# Altium PCB MiniPC.PcbDoc (part 7 of 23)
Units mm, origin at the board's own origin, x right, y up, seen from the top; angles counter-clockwise.
Board outline 175 x 155 mm, 16 copper layers (1_Top, 2_int1_(gnd), 3_int2_(power), 4_int3_(gnd), 5_int4_(sign), 6_int5_(power), 7_int6_(sign), 8_int7_(power), 9_int8_(gnd), 10_int9_(sign), 11_int10_(gnd), 12_int11_(sign), 13_int12_(gnd), 14_int13_(power), 15_int14_(gnd), 16_Bottom), stack 2.008 mm thick; 1046 components, 841 nets, 6010 pads, 4016 vias.
Unrouted connection lines stored in the file: 602.
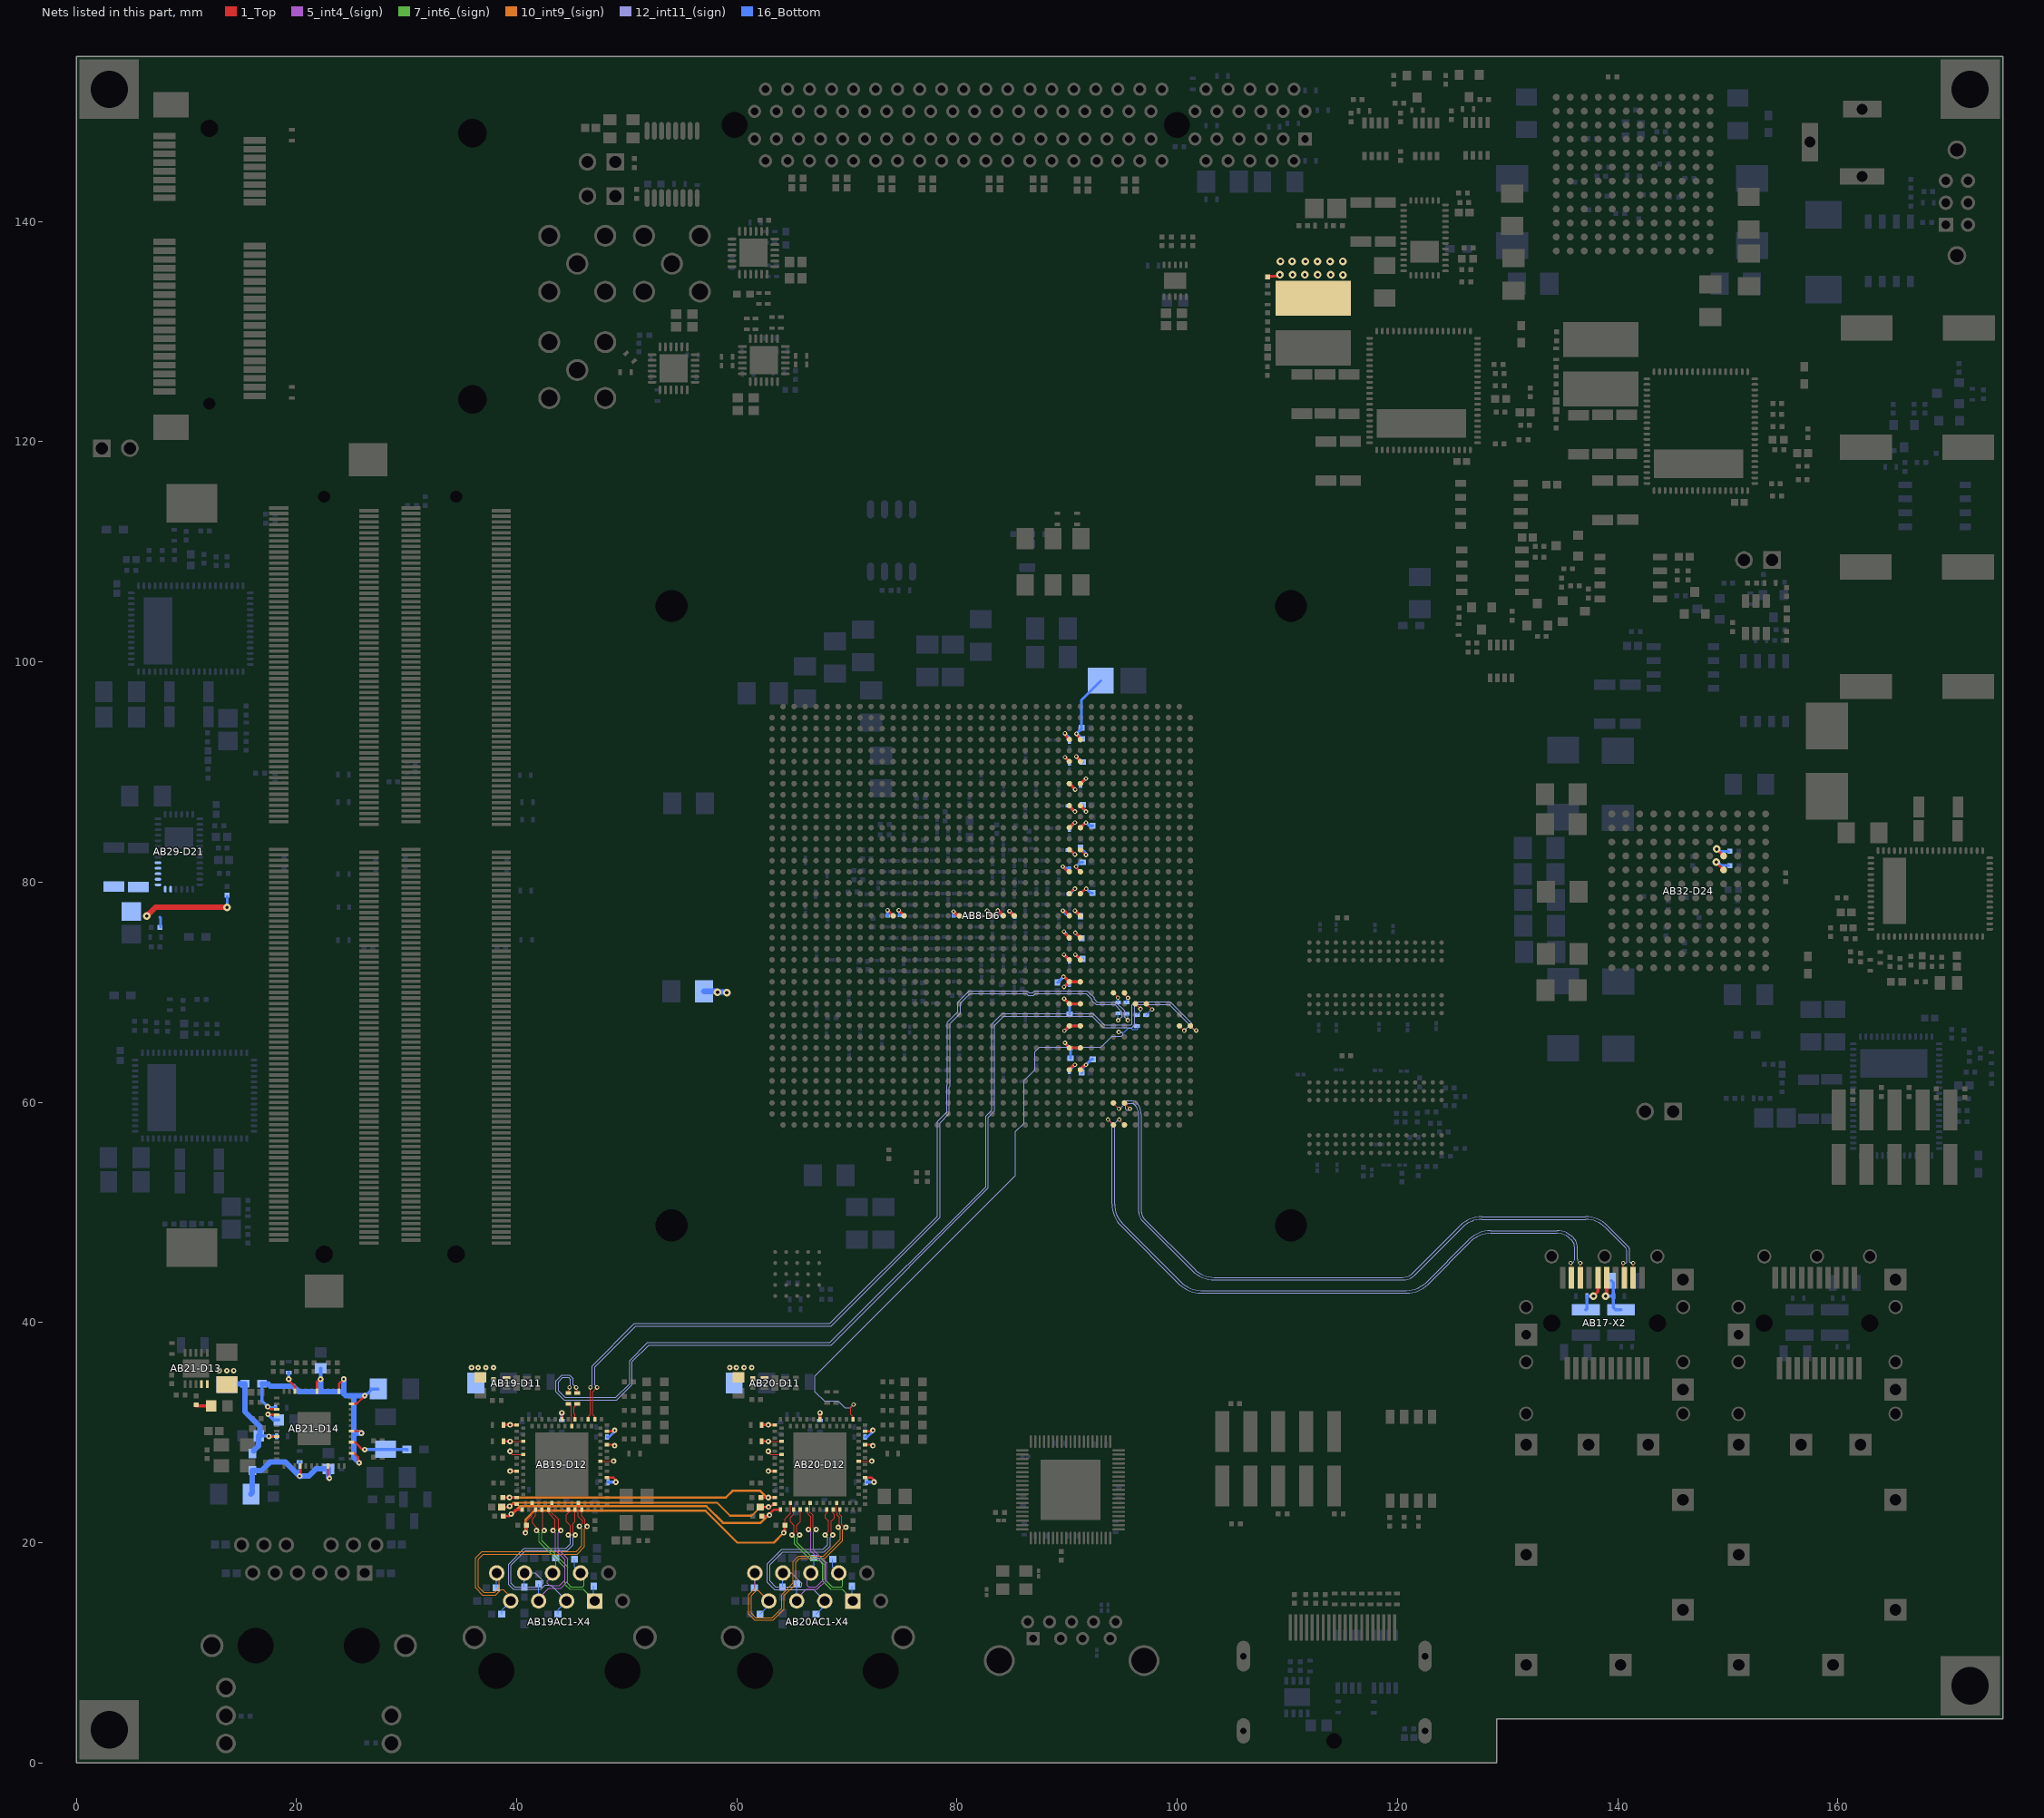
[diagram p21: the nets of this part, all layers, seen from the top]

## Part data (continued)
AB23-R139 AB23-R142 AB23-R143: library part E87, "Chip Resistor, 22.6 KOhm, +/- 1%, 63 mW, -55 to 155 degC, 0402 (1005 Metric), RoHS, Tape and Reel", Case/Package=0402, Case Code (Metric)=1005, Max Operating Temperature="155 degC", Min Operating Temperature="-55 degC", Package Quantity=10000, Power Rating="63 mW", Resistance="22.6 KOhm", Tolerance=1%, Voltage Rating="50 V", Case Code (Imperial)=0402, ComponentLink1Description="Manufacturer URL", ComponentLink1URL=http://www.vishay.com/, ComponentLink2Description=Datasheet, ComponentLink2URL=http://www.vishay.com/docs/20035/dcrcwe3.pdf, Height="0.35 mm", Length="1 mm", Mount="Surface Mount", Mounting Technology="Surface Mount", PackageDescription="2-Pin Surface Mount Device, Body 1 x 0.5 mm", Packaging="Tape and Reel", PartNumber=CRCW040222K6FKED, REACH SVHC=Unknown, RoHSCompliant=True, UID=E87, Width="0.5 mm", Тип элемента=Резистор
  AB23-R139: New_des=R158, Old_des=R167
  AB23-R142: New_des=R159, Old_des=R170
  AB23-R143: New_des=R160, Old_des=R171
AB24-C437 AB24-C438 AB25-C447 AB25-C448 AB26-C456 AB26-C457 AB27-C461 AB27-C462 AB27-C466 AB27-C467 AB27-C468 AB28-C476 AB28-C477 AB29-C482 AB29-C483 AB30-C486 AB30-C487 AB30-C490 AB30-C491 AB30-C492 AB31-C498 AB31-C499 AB35-C533 AB35-C534: library part E6, "Chip Capacitor, 47 uF, +/- 20%, 10 V, -55 to 85 degC, 1206 (3216 Metric), RoHS, Tape and Reel", Capacitance="47 uF", Case\/Package=1206, Case Code (Metric)=3216, Max Operating Temperature="85 degC", Min Operating Temperature="-55 degC", Package Quantity=2000, Tolerance=20%, Type (Capacitors)=X5R, Voltage Rating="10 V", Case Code (Imperial)=1206, ComponentLink1Description="Manufacturer URL", ComponentLink1URL=http://www.tdk.com/, ComponentLink2Description=Datasheet, ComponentLink2URL=https://product.tdk.com/info/en/catalog/datasheets/mlcc_commercial_general_en.pdf, DatasheetVersion=03/2015, Height="1.6 mm", Length="3.2 mm", Mount="Surface Mount", Mounting Technology="Surface Mount", PackageDescription="2-Pin Surface Mount Device, Body 3.2 x 1.6 mm", PackageReference=3216, Packaging="Tape and Reel", Radiation Hardening=No, RoHSCompliant=true, UID=E6, Voltage Rating (DC)="10 V", Width="1.6 mm", Тип элемента=Конденсатор
  AB24-C437: New_des=C446, Old_des=C71
  AB24-C438: New_des=C447, Old_des=C72
  AB25-C447: New_des=C367, Old_des=C39
  AB25-C448: New_des=C368, Old_des=C40
  AB26-C456: New_des=C456, Old_des=C30
  AB26-C457: New_des=C457, Old_des=C31
  AB27-C461: New_des=C461, Old_des=C18
  AB27-C462: New_des=C462, Old_des=C19
  AB27-C466: New_des=C466, Old_des=C20
  AB27-C467: New_des=C467, Old_des=C21
  AB27-C468: New_des=C468, Old_des=C22
  AB28-C476: New_des=C476, Old_des=C11
  AB28-C477: New_des=C477, Old_des=C12
  AB29-C482: New_des=C482, Old_des=C46
  AB29-C483: New_des=C483, Old_des=C47
  AB30-C486: New_des=C486, Old_des=C52
  AB30-C487: New_des=C487, Old_des=C53
  AB30-C490: New_des=C490, Old_des=C54
  AB30-C491: New_des=C491, Old_des=C55
  AB30-C492: New_des=C492, Old_des=C56
  AB31-C498: New_des=C498, Old_des=C62
  AB31-C499: New_des=C499, Old_des=C63
  AB35-C533: New_des=C533, Old_des=C112
  AB35-C534: New_des=C534, Old_des=C113
AB24-D16: library part E109, "Window Comparator with Internal Reference for Overvoltage and Undervoltage Detection, 1.8 to 18 V, -40 to 125 degC, 6-Pin SOT (DDC), Green (RoHS & no Sb/Br), Tape and Reel", Case/Package=SOT-6, Max Operating Temperature="125 degC", Max Supply Voltage="18 V", Min Operating Temperature="-40 degC", Min Supply Voltage="1.8 V", Package Quantity=3000, Code_JEDEC=MO-193, ComponentLink1Description="Manufacturer URL", ComponentLink1URL=http://www.ti.com/, ComponentLink2Description=Datasheet, ComponentLink2URL=http://www.ti.com/lit/ds/symlink/tps3700.pdf, ComponentLink3Description="Package Specification", ComponentLink3URL=http://www.ti.com/litv/pdf/mpds124d, DatasheetVersion=SBVS187D, Mount="Surface Mount", Mounting Technology="Surface Mount", New_des=D17, Old_des=U9, PackageDescription="6-Pin Small Outline Transistor, Body 2.9 x 1.6 mm, Pitch 0.95 mm", PackageVersion="4204403-3/E, 06/2005", Packaging="Tape and Reel", PartNumber=TPS3700DDCR, Pins=6, RoHSCompliant=True, UID=E109, Тип элемента="Набор компараторов"
AB24-R159 AB34-R280 AB34-R281 AB34-R284 AB34-R286 AB35-R292 AB36-R309: library part E57, "Chip Resistor, 49.9 KOhm, +/- 1%, 100 mW, -55 to 155 degC, 0402 (1005 Metric), RoHS, Tape and Reel", Case\/Package=0402, Case Code (Metric)=1005, Manufacturer="Basic Passives", Max Operating Temperature="155 degC", Min Operating Temperature="-55 degC", Package Quantity=10000, Power Rating="100 mW", Resistance="49.9 KOhm", Tolerance=1%, Voltage Rating="50 V", Case Code (Imperial)=0402, ComponentLink1Description="Manufacturer URL", ComponentLink1URL=http://www.panasonic.com/, ComponentLink2Description=Datasheet, ComponentLink2URL=http://industrial.panasonic.com/cdbs/www-data/pdf/RDA0000/AOA0000C86.pdf, DatasheetVersion=04/2015, Height="0.35 mm", Length="1 mm", Mount="Surface Mount", Mounting Technology="Surface Mount", PackageDescription="2-Pin Surface Mount Device, Body 1 x 0.5 mm", PackageReference=0402, Packaging="Tape and Reel", PartNumber=ERJ-2RKF4992X, Pins=2, Radiation Hardening=No, REACH SVHC="No SVHC", RoHSCompliant=true, UID=E57, Width="0.5 mm", Тип элемента=Резистор
  AB24-R159: New_des=R178, Old_des=R112
  AB34-R280: New_des=R280, Old_des=R133
  AB34-R281: New_des=R281, Old_des=R134
  AB34-R284: New_des=R284, Old_des=R132
  AB34-R286: New_des=R286, Old_des=R129
  AB35-R292: New_des=R292, Old_des=R179
  AB36-R309: New_des=R309, Old_des=R3
AB24-R161 AB33-R269 AB33-R270 AB33-R271 AB33-R273 AB33-R274 AB34-R282 AB34-R287 AB34-R288 AB34-R289 AB36-R306 AB36-R311: library part E56, "Chip Resistor, 10 Ohm, +/- 1%, 100 mW, -55 to 155 degC, 0402 (1005 Metric), RoHS, Tape and Reel", Case\/Package=0402, Case Code (Metric)=1005, Manufacturer="Basic Passives", Max Operating Temperature="155 degC", Min Operating Temperature="-55 degC", Package Quantity=10000, Power Rating="100 mW", Resistance="10 Ohm", Tolerance=1%, Voltage Rating="50 V", Case Code (Imperial)=0402, ComponentLink1Description="Manufacturer URL", ComponentLink1URL=http://www.panasonic.com/, ComponentLink2Description=Datasheet, ComponentLink2URL=http://industrial.panasonic.com/cdbs/www-data/pdf/RDA0000/AOA0000C86.pdf, DatasheetVersion=04/2015, Height="0.35 mm", Length="1 mm", Mount="Surface Mount", Mounting Technology="Surface Mount", PackageDescription="2-Pin Surface Mount Device, Body 1 x 0.5 mm", PackageReference=0402, Packaging="Tape and Reel", PartNumber=ERJ-2RKF10R0X, Pins=2, Radiation Hardening=No, REACH SVHC=Yes, RoHSCompliant=true, UID=E56, Width="0.5 mm", Тип элемента=Резистор
  AB24-R161: New_des=R180, Old_des=R114
  AB33-R269: New_des=R269, Old_des=R12
  AB33-R270: New_des=R270, Old_des=R13
  AB33-R271: New_des=R271, Old_des=R14
  AB33-R273: New_des=R273, Old_des=R15
  AB33-R274: New_des=R275, Old_des=R19
  AB34-R282: New_des=R282, Old_des=R128
  AB34-R287: New_des=R287, Old_des=R130
  AB34-R288: New_des=R288, Old_des=R135
  AB34-R289: New_des=R289, Old_des=R136
  AB36-R306: New_des=R306, Old_des=R1
  AB36-R311: New_des=R310, Old_des=R2
AB24-R162: library part E84, "Chip Resistor, 25.5 KOhm, +/- 1%, 100 mW, -55 to 155 degC, 0402 (1005 Metric), RoHS, Tape and Reel", Case/Package=0402, Case Code (Metric)=1005, Max Operating Temperature="155 degC", Min Operating Temperature="-55 degC", Package Quantity=1, Power Rating="100 mW", Resistance="25.5 KOhm", Tolerance=1%, Voltage Rating="50 V", Case Code (Imperial)=0402, ComponentLink1Description="Manufacturer URL", ComponentLink1URL=http://www.panasonic.com/, ComponentLink2Description=Datasheet, ComponentLink2URL=http://industrial.panasonic.com/cdbs/www-data/pdf/RDA0000/AOA0000C86.pdf, Height="0.35 mm", Length="1 mm", Mount="Surface Mount", Mounting Technology="Surface Mount", New_des=R181, Old_des=R113, PackageDescription="2-Pin Surface Mount Device, Body 1 x 0.5 mm", Packaging="Tape and Reel", PartNumber=ERJ-2RKF2552x, REACH SVHC=Yes, RoHSCompliant=True, UID=E84, Width="0.5 mm", Тип элемента=Резистор
AB24-VT1 AB24-VT4 AB36-VT22 AB36-VT23: library part E52, "N-Channe MOSFET, 30 V, -55 to 150 degC, 8-Pin SMD (PPAKSO-8), RoHS, Tape and Reel", Case/Package=SOIC, Max Operating Temperature="150 degC", Min Operating Temperature="-55 degC", Package Quantity=1, ComponentLink1Description="Manufacturer URL", ComponentLink1URL=http://www.vishay.com/, ComponentLink2Description=Datasheet, ComponentLink2URL=http://www.vishay.com/docs/63780/sira00dp.pdf, DatasheetVersion="Rev. B", Height="1.07 mm", Length="5.99 mm", Mount="Surface Mount", Mounting Technology="Surface Mount", PackageDescription="8-Pin Surface Mount Device, Body 4.9 x 5.89 mm, Pitch 1.27 mm", Packaging="Tape and Reel", PartNumber=SiRA00DP-T1-GE3, Pins=8, Radiation Hardening=No, REACH SVHC=Unknown, RoHSCompliant=True, UID=E52, Width="5 mm", Тип элемента="МДП-транзистор, индуцированный N канал"
  AB24-VT1: New_des=VT1, Old_des=Q17
  AB24-VT4: New_des=VT4, Old_des=Q14
  AB36-VT22: New_des=VT22, Old_des=Q4
  AB36-VT23: New_des=VT23, Old_des=Q3
AB24-VT2 AB24-VT3 AB24-VT5 AB34-VT12 AB34-VT13 AB36-VT18 AB36-VT19 AB36-VT20: library part E53, "NPN Small Signal Transistor, 40 V, -55 to 150 degC, 3-Pin SOT23, RoHS, Tape and Reel", Manufacturer="Diodes Inc", ComponentLink1Description="Manufacturer URL", ComponentLink1URL=http://www.diodes.com/, ComponentLink2Description=Datasheet, ComponentLink2URL=http://www.diodes.com/_files/datasheets/ds30041.pdf, DatasheetVersion="Rev. 16 - 2", Mounting Technology="Surface Mount", PackageDescription="3-Pin Small Outline Transistor, Body 2.9 x 1.3 mm, Pitch 0.95 mm", PackageReference=SOT23-3, PartNumber=MMBT2222A-7-F, UID=E53, Тип элемента=NPN-транзистор
  AB24-VT2: New_des=VT2, Old_des=Q19
  AB24-VT3: New_des=VT3, Old_des=Q15
  AB24-VT5: New_des=VT5, Old_des=Q16
  AB34-VT12: New_des=VT12, Old_des=Q24
  AB34-VT13: New_des=VT13, Old_des=Q23
  AB36-VT18: New_des=VT18, Old_des=Q6
  AB36-VT19: New_des=VT19, Old_des=Q7
  AB36-VT20: New_des=VT20, Old_des=Q5
AB24-VT6 AB34-VT15 AB34-VT16: library part E54, "P-Channel MOSFET, 20 V, -55 to 150 degC, 8-Pin SMD (PPAKSO-8), RoHS, Tape and Reel", ComponentLink1Description="Manufacturer URL", ComponentLink1URL=http://www.vishay.com/, ComponentLink2Description=Datasheet, ComponentLink2URL=http://www.vishay.com/docs/65021/si7635dp.pdf, DatasheetVersion="Rev. B", Mounting Technology="Surface Mount", PackageDescription="8-Pin Surface Mount Device, Body 4.9 x 5.89 mm, Pitch 1.27 mm", PartNumber=Si7635DP-T1-GE3, UID=E54, Тип элемента="МДП-транзистор, индуцированный P канал"
  AB24-VT6: New_des=VT6, Old_des=Q13
  AB34-VT15: New_des=VT15, Old_des=Q20
  AB34-VT16: New_des=VT16, Old_des=Q21
AB25-C445 AB26-C454 AB27-C463 AB28-C473 AB29-C481 AB30-C488 AB31-C497: library part E8, "Chip Capacitor, 15 nF, +/- 5%, 10 V, -55 to 125 degC, 0402 (1005 Metric), RoHS, Tape and Reel", Capacitance="15 nF", Case\/Package=0402, Case Code (Metric)=1005, Max Operating Temperature="125 degC", Min Operating Temperature="-55 degC", Package Quantity=50000, Tolerance=5%, Type (Capacitors)=X7R, Voltage Rating="10 V", Case Code (Imperial)=0402, ComponentLink1Description="Manufacturer URL", ComponentLink1URL=http://www.vishay.com/, ComponentLink2Description=Datasheet, ComponentLink2URL=http://www.vishay.com/docs/28548/vjw1bcbascomseries.pdf, DatasheetVersion=07/2016, Height="0.5 mm", Length="1 mm", Mount="Surface Mount", Mounting Technology="Surface Mount", PackageDescription="2-Pin Surface Mount Device, Body 1 x 0.5 mm", PackageReference=0402, Packaging="Tape and Reel", PartNumber=VJ0402Y153JXQPW1BC, Pins=2, RoHSCompliant=true, UID=E8, Voltage Rating (DC)="10 V", Width="0.5 mm", Тип элемента=Конденсатор
  AB25-C445: New_des=C365, Old_des=C42
  AB26-C454: New_des=C454, Old_des=C33
  AB27-C463: New_des=C463, Old_des=C24
  AB28-C473: New_des=C473, Old_des=C14
  AB29-C481: New_des=C481, Old_des=C49
  AB30-C488: New_des=C488, Old_des=C58
  AB31-C497: New_des=C497, Old_des=C65
AB25-C449 AB26-C458 AB28-C475: library part E4, "Chip Capacitor, 22 pF, +/- 5%, 50 V, -55 to 125 degC, 0402 (1005 Metric), RoHS, Tape and Reel", Capacitance="22 pF", Case\/Package=0402, Case Code (Metric)=1005, Max Operating Temperature="125 degC", Min Operating Temperature="-55 degC", Package Quantity=10000, Tolerance=5%, Type (Capacitors)=C0G, Voltage Rating="50 V", Case Code (Imperial)=0402, ComponentLink1Description="Manufacturer URL", ComponentLink1URL=http://www.tdk.com/, ComponentLink2Description=Datasheet, ComponentLink2URL=https://product.tdk.com/info/en/catalog/datasheets/mlcc_commercial_general_en.pdf, DatasheetVersion=08/2016, Height="0.5 mm", Length="1 mm", Mount="Surface Mount", Mounting Technology="Surface Mount", PackageDescription="2-Pin Surface Mount Device, Body 1 x 0.5 mm", PackageReference=0402, Packaging="Tape and Reel", PartNumber=C1005C0G1H220J050BA, Pins=2, Radiation Hardening=No, REACH SVHC="No SVHC", RoHSCompliant=true, UID=E4, Voltage Rating (DC)="50 V", Width="0.5 mm", Тип элемента=Конденсатор
  AB25-C449: New_des=C369, Old_des=C36
  AB26-C458: New_des=C458, Old_des=C27
  AB28-C475: New_des=C475, Old_des=C8
AB25-D17 AB26-D18 AB28-D20: library part E106, "PowerSoC Highly Integrated Synchronous DC-DC Buck with Integrated Inductor, 2.5 to 6.6 V Input, -40 to 85 degC, 68-Pin QFN, RoHS, Tape and Reel", Max Operating Temperature="85 degC", Min Operating Temperature="-40 degC", Output Current="8 A", Package Quantity=250, Code_JEDEC=J-STD-020A, ComponentLink1Description="Manufacturer URL", ComponentLink1URL=https://www.altera.com/, ComponentLink2Description=Datasheet, ComponentLink2URL=https://www.altera.com/content/dam/altera-www/global/en_US/pdfs/literature/ds/en6360qi_06489.pdf, ComponentLink3Description="Package Specification", ComponentLink3URL=http://wl.altera.com/literature/ds/EN6360QA_10396.pdf, DatasheetVersion="Rev. G", Height="0.12 inch", Length="0.43 inch", Mount="Surface Mount", Mounting Technology="Surface Mount", PackageDescription="68-Pin Quad-Flat No-Leads Package, Body 11 x 8 mm, Pitch 0.5 mm", PackageVersion="Rev. A, 10/2014", Packaging="Tape and Reel", PartNumber=EN6360QI, Pins=68, Radiation Hardening=No, RoHSCompliant=True, UID=E106, Width="0.32 inch", Тип элемента=Стабилизатор
  AB25-D17: New_des=D11, Old_des=U5
  AB26-D18: New_des=D18, Old_des=U4
  AB28-D20: New_des=D20, Old_des=U2
AB25-R169 AB26-R186 AB30-R237: library part E74, "Chip Resistor, 5.49 KOhm, +/- 1%, 100 mW, -55 to 155 degC, 0402 (1005 Metric), RoHS, Tape and Reel", Case\/Package=0402, Case Code (Metric)=1005, Manufacturer="Basic Passives", Max Operating Temperature="155 degC", Min Operating Temperature="-55 degC", Package Quantity=10000, Power Rating="100 mW", Resistance="5.49 KOhm", Tolerance=1%, Voltage Rating="50 V", Case Code (Imperial)=0402, ComponentLink1Description="Manufacturer URL", ComponentLink1URL=http://www.panasonic.com/, ComponentLink2Description=Datasheet, ComponentLink2URL=http://industrial.panasonic.com/cdbs/www-data/pdf/RDA0000/AOA0000C86.pdf, DatasheetVersion=04/2015, Height="0.016 inch", Length="0.039 inch", Mount="Surface Mount", Mounting Technology="Surface Mount", PackageDescription="2-Pin Surface Mount Device, Body 1 x 0.5 mm", PackageReference=0402, Packaging="Tape and Reel", PartNumber=ERJ-2RKF5491X, Pins=2, REACH SVHC=Yes, RoHSCompliant=true, UID=E74, Width="0.02 inch", Тип элемента=Резистор
  AB25-R169: New_des=R88, Old_des=R79
  AB26-R186: New_des=R186, Old_des=R62
  AB30-R237: New_des=R238, Old_des=R103
AB25-R172 AB26-R193: library part E73, "Chip Resistor, 191 KOhm, +/- 1%, 63 mW, -55 to 155 degC, 0402 (1005 Metric), RoHS, Tape and Reel", Case\/Package=0402, Case Code (Metric)=1005, Manufacturer="Basic Passives", Max Operating Temperature="155 degC", Min Operating Temperature="-55 degC", Package Quantity=10000, Power Rating="63 mW", Resistance="191 KOhm", Tolerance=1%, Voltage Rating="50 V", Case Code (Imperial)=0402, ComponentLink1Description="Manufacturer URL", ComponentLink1URL=http://www.vishay.com/, ComponentLink2Description=Datasheet, ComponentLink2URL=http://www.vishay.com/docs/20035/dcrcwe3.pdf, DatasheetVersion=06/2012, Height="0.35 mm", Length="1 mm", Mount="Surface Mount", Mounting Technology="Surface Mount", PackageDescription="2-Pin Surface Mount Device, Body 1 x 0.5 mm", PackageReference=0402, Packaging="Tape and Reel", PartNumber=CRCW0402191KFKED, Pins=2, Radiation Hardening=No, REACH SVHC=Unknown, RoHSCompliant=true, UID=E73, Weight=2.3E-05oz, Width="0.5 mm", Тип элемента=Резистор
  AB25-R172: New_des=R93, Old_des=R63
  AB26-R193: New_des=R193, Old_des=R49
AB25-R174 AB26-R192 AB27-R205 AB28-R219 AB30-R242: library part E63, "Chip Resistor, 160 KOhm, +/- 1%, 63 mW, -55 to 155 degC, 0402 (1005 Metric), RoHS, Tape and Reel", Case\/Package=0402, Case Code (Metric)=1005, Manufacturer="Basic Passives", Max Operating Temperature="155 degC", Min Operating Temperature="-55 degC", Package Quantity=10, Power Rating="63 mW", Resistance="160 KOhm", Tolerance=1%, Voltage Rating="50 V", Case Code (Imperial)=0402, ComponentLink1Description="Manufacturer URL", ComponentLink1URL=http://www.vishay.com/, ComponentLink2Description=Datasheet, ComponentLink2URL=http://www.vishay.com/docs/20035/dcrcwe3.pdf, DatasheetVersion=06/2012, Height="0.35 mm", Length="1 mm", Mount="Surface Mount", Mounting Technology="Surface Mount", PackageDescription="2-Pin Surface Mount Device, Body 1 x 0.5 mm", PackageReference=0402, Packaging="Tape and Reel", PartNumber=CRCW0402160KFKED, Pins=2, Radiation Hardening=No, REACH SVHC=Unknown, RoHSCompliant=true, UID=E63, Weight=2.3E-05oz, Width="0.5 mm", Тип элемента=Резистор
  AB25-R174: New_des=R95, Old_des=R66
  AB26-R192: New_des=R192, Old_des=R52
  AB27-R205: New_des=R205, Old_des=R39
  AB28-R219: New_des=R219, Old_des=R24
  AB30-R242: New_des=R242, Old_des=R93
AB25-R175: library part E75, "Chip Resistor, 976 KOhm, +/- 1%, 63 mW, -55 to 155 degC, 0402 (1005 Metric), RoHS, Tape and Reel", Case\/Package=0402, Case Code (Metric)=1005, Manufacturer="Basic Passives", Max Operating Temperature="155 degC", Min Operating Temperature="-55 degC", Package Quantity=10000, Power Rating="63 mW", Resistance="976 KOhm", Tolerance=1%, Voltage Rating="50 V", Case Code (Imperial)=0402, ComponentLink1Description="Manufacturer URL", ComponentLink1URL=http://www.vishay.com/, ComponentLink2Description=Datasheet, ComponentLink2URL=http://www.vishay.com/docs/20035/dcrcwe3.pdf, DatasheetVersion=06/2012, Height="0.35 mm", Length="1 mm", Mount="Surface Mount", Mounting Technology="Surface Mount", New_des=R96, Old_des=R73, PackageDescription="2-Pin Surface Mount Device, Body 1 x 0.5 mm", PackageReference=0402, Packaging="Tape and Reel", PartNumber=CRCW0402976KFKED, Pins=2, Radiation Hardening=No, REACH SVHC=Unknown, RoHSCompliant=true, UID=E75, Weight=2.3E-05oz, Width="0.5 mm", Тип элемента=Резистор
AB25-R176: library part E76, "Chip Resistor, 649 KOhm, +/- 1%, 63 mW, -55 to 155 degC, 0402 (1005 Metric), RoHS, Tape and Reel", Case\/Package=0402, Case Code (Metric)=1005, Manufacturer="Basic Passives", Max Operating Temperature="155 degC", Min Operating Temperature="-55 degC", Package Quantity=10, Power Rating="63 mW", Resistance="649 KOhm", Tolerance=1%, Voltage Rating="50 V", Case Code (Imperial)=0402, ComponentLink1Description="Manufacturer URL", ComponentLink1URL=http://www.vishay.com/, ComponentLink2Description=Datasheet, ComponentLink2URL=http://www.vishay.com/docs/20035/dcrcwe3.pdf, DatasheetVersion=06/2012, Height="0.35 mm", Length="1 mm", Mount="Surface Mount", Mounting Technology="Surface Mount", New_des=R97, Old_des=R76, PackageDescription="2-Pin Surface Mount Device, Body 1 x 0.5 mm", PackageReference=0402, Packaging="Tape and Reel", PartNumber=CRCW0402649KFKED, Pins=2, Radiation Hardening=No, REACH SVHC="No SVHC", RoHSCompliant=true, UID=E76, Weight=2.3E-05oz, Width="0.5 mm", Тип элемента=Резистор
AB25-R177: library part E77, "Chip Resistor, 390 KOhm, +/- 1%, 63 mW, -55 to 155 degC, 0402 (1005 Metric), RoHS, Tape and Reel", Case\/Package=0402, Case Code (Metric)=1005, Manufacturer="Basic Passives", Max Operating Temperature="155 degC", Min Operating Temperature="-55 degC", Package Quantity=10000, Power Rating="63 mW", Resistance="390 KOhm", Tolerance=1%, Voltage Rating="50 V", Case Code (Imperial)=0402, ComponentLink1Description="Manufacturer URL", ComponentLink1URL=http://www.vishay.com/, ComponentLink2Description=Datasheet, ComponentLink2URL=http://www.vishay.com/docs/20035/dcrcwe3.pdf, DatasheetVersion=06/2012, Height="0.35 mm", Length="1 mm", Mount="Surface Mount", Mounting Technology="Surface Mount", New_des=R98, Old_des=R78, PackageDescription="2-Pin Surface Mount Device, Body 1 x 0.5 mm", PackageReference=0402, Packaging="Tape and Reel", PartNumber=CRCW0402390KFKED, Pins=2, Radiation Hardening=No, REACH SVHC=Unknown, RoHSCompliant=true, UID=E77, Weight=2.3E-05oz, Width="0.5 mm", Тип элемента=Резистор
AB25-R178: library part E78, "Chip Resistor, 240 KOhm, +/- 1%, 100 mW, -55 to 155 degC, 0402 (1005 Metric), RoHS, Tape and Reel", Case\/Package=0402, Case Code (Metric)=1005, Manufacturer="Basic Passives", Max Operating Temperature="155 degC", Min Operating Temperature="-55 degC", Package Quantity=10000, Power Rating="100 mW", Resistance="240 KOhm", Tolerance=1%, Voltage Rating="50 V", Case Code (Imperial)=0402, ComponentLink1Description="Manufacturer URL", ComponentLink1URL=http://www.panasonic.com/, ComponentLink2Description=Datasheet, ComponentLink2URL=http://industrial.panasonic.com/cdbs/www-data/pdf/RDA0000/AOA0000C86.pdf, DatasheetVersion=04/2015, Height="0.35 mm", Length="1 mm", Mount="Surface Mount", Mounting Technology="Surface Mount", New_des=R99, Old_des=R80, PackageDescription="2-Pin Surface Mount Device, Body 1 x 0.5 mm", PackageReference=0402, Packaging="Tape and Reel", PartNumber=ERJ-2RKF2403X, Pins=2, Radiation Hardening=No, REACH SVHC=Unknown, RoHSCompliant=true, UID=E78, Width="0.5 mm", Тип элемента=Резистор
AB25-R179: library part E79, "Chip Resistor, 137 KOhm, +/- 1%, 63 mW, -55 to 155 degC, 0402 (1005 Metric), RoHS, Tape and Reel", Case\/Package=0402, Case Code (Metric)=1005, Manufacturer="Basic Passives", Max Operating Temperature="155 degC", Min Operating Temperature="-55 degC", Package Quantity=10000, Power Rating="63 mW", Resistance="137 KOhm", Tolerance=1%, Voltage Rating="50 V", Case Code (Imperial)=0402, ComponentLink1Description="Manufacturer URL", ComponentLink1URL=http://www.vishay.com/, ComponentLink2Description=Datasheet, ComponentLink2URL=http://www.vishay.com/docs/20035/dcrcwe3.pdf, DatasheetVersion=06/2012, Height="0.35 mm", Length="1 mm", Mount="Surface Mount", Mounting Technology="Surface Mount", New_des=R100, Old_des=R81, PackageDescription="2-Pin Surface Mount Device, Body 1 x 0.5 mm", PackageReference=0402, Packaging="Tape and Reel", PartNumber=CRCW0402137KFKED, Pins=2, Radiation Hardening=No, REACH SVHC=Unknown, RoHSCompliant=true, UID=E79, Weight=2.3E-05oz, Width="0.5 mm", Тип элемента=Резистор
AB25-R181 AB25-R182 AB26-R195 AB26-R196 AB27-R208 AB27-R209 AB28-R223 AB28-R225 AB30-R245 AB30-R246: library part E66, "Chip Resistor, 100 Ohm, +/- 1%, 100 mW, -55 to 155 degC, 0402 (1005 Metric), RoHS, Tape and Reel", Case\/Package=0402, Case Code (Metric)=1005, Manufacturer="Basic Passives", Max Operating Temperature="155 degC", Min Operating Temperature="-55 degC", Package Quantity=10000, Power Rating="100 mW", Resistance="100 Ohm", Tolerance=1%, Voltage Rating="50 V", Case Code (Imperial)=0402, ComponentLink1Description="Manufacturer URL", ComponentLink1URL=http://www.panasonic.com/, ComponentLink2Description=Datasheet, ComponentLink2URL=http://industrial.panasonic.com/cdbs/www-data/pdf/RDA0000/AOA0000C86.pdf, DatasheetVersion=04/2015, Height="0.35 mm", Length="1 mm", Mount="Surface Mount", Mounting Technology="Surface Mount", PackageDescription="2-Pin Surface Mount Device, Body 1 x 0.5 mm", PackageReference=0402, Packaging="Tape and Reel", PartNumber=ERJ-2RKF1000X, Pins=2, Radiation Hardening=No, REACH SVHC=Yes, RoHSCompliant=true, UID=E66, Width="0.5 mm", Тип элемента=Резистор
  AB25-R181: New_des=R102, Old_des=R70
  AB25-R182: New_des=R103, Old_des=R72
  AB26-R195: New_des=R195, Old_des=R56
  AB26-R196: New_des=R196, Old_des=R58
  AB27-R208: New_des=R208, Old_des=R38
  AB27-R209: New_des=R209, Old_des=R40
  AB28-R223: New_des=R223, Old_des=R28
  AB28-R225: New_des=R225, Old_des=R30
  AB30-R245: New_des=R245, Old_des=R92
  AB30-R246: New_des=R246, Old_des=R94
AB25-R184 AB26-R198 AB28-R226 AB29-R234 AB31-R256: library part E65, "Chip Resistor, 0.001 Ohm, +/- 1%, 1 W, -65 to 170 degC, 1206 (3216 Metric), RoHS, Tape and Reel", Case/Package=1206, Case Code (Metric)=3216, Max Operating Temperature="170 degC", Min Operating Temperature="-65 degC", Resistance="0.001 Ohm", Tolerance=1%, Case Code (Imperial)=1206, ComponentLink1Description="Manufacturer URL", ComponentLink1URL=http://www.vishay.com/, ComponentLink2Description=Datasheet, ComponentLink2URL=http://www.farnell.com/datasheets/2049155.pdf, DatasheetVersion=04/2015, Height="0.635 mm", Length="3.2 mm", Mounting Technology="Surface Mount", PackageDescription="2-Pin Surface Mount Device, Body 3.2 x 1.6 mm", Packaging="Tape and Reel", PartNumber=WSLP12061L000FEA, REACH SVHC=Unknown, RoHSCompliant=True, UID=E65, Width="1.6 mm", Тип элемента=Резистор
  AB25-R184: New_des=R105, Old_des=R69
  AB26-R198: New_des=R198, Old_des=R55
  AB28-R226: New_des=R226, Old_des=R27
  AB29-R234: New_des=R234, Old_des=R83